# Altium PCB ADC_HUB.PcbDoc (part 3 of 3)
Units mm, origin at the board's own origin, x right, y up, seen from the top; angles counter-clockwise.
Board outline 280 x 83 mm, 4 copper layers (Component Side, Ground Plane, Power Plane, Solder Side), stack 0.844 mm thick; 324 components, 150 nets, 1066 pads, 404 vias.
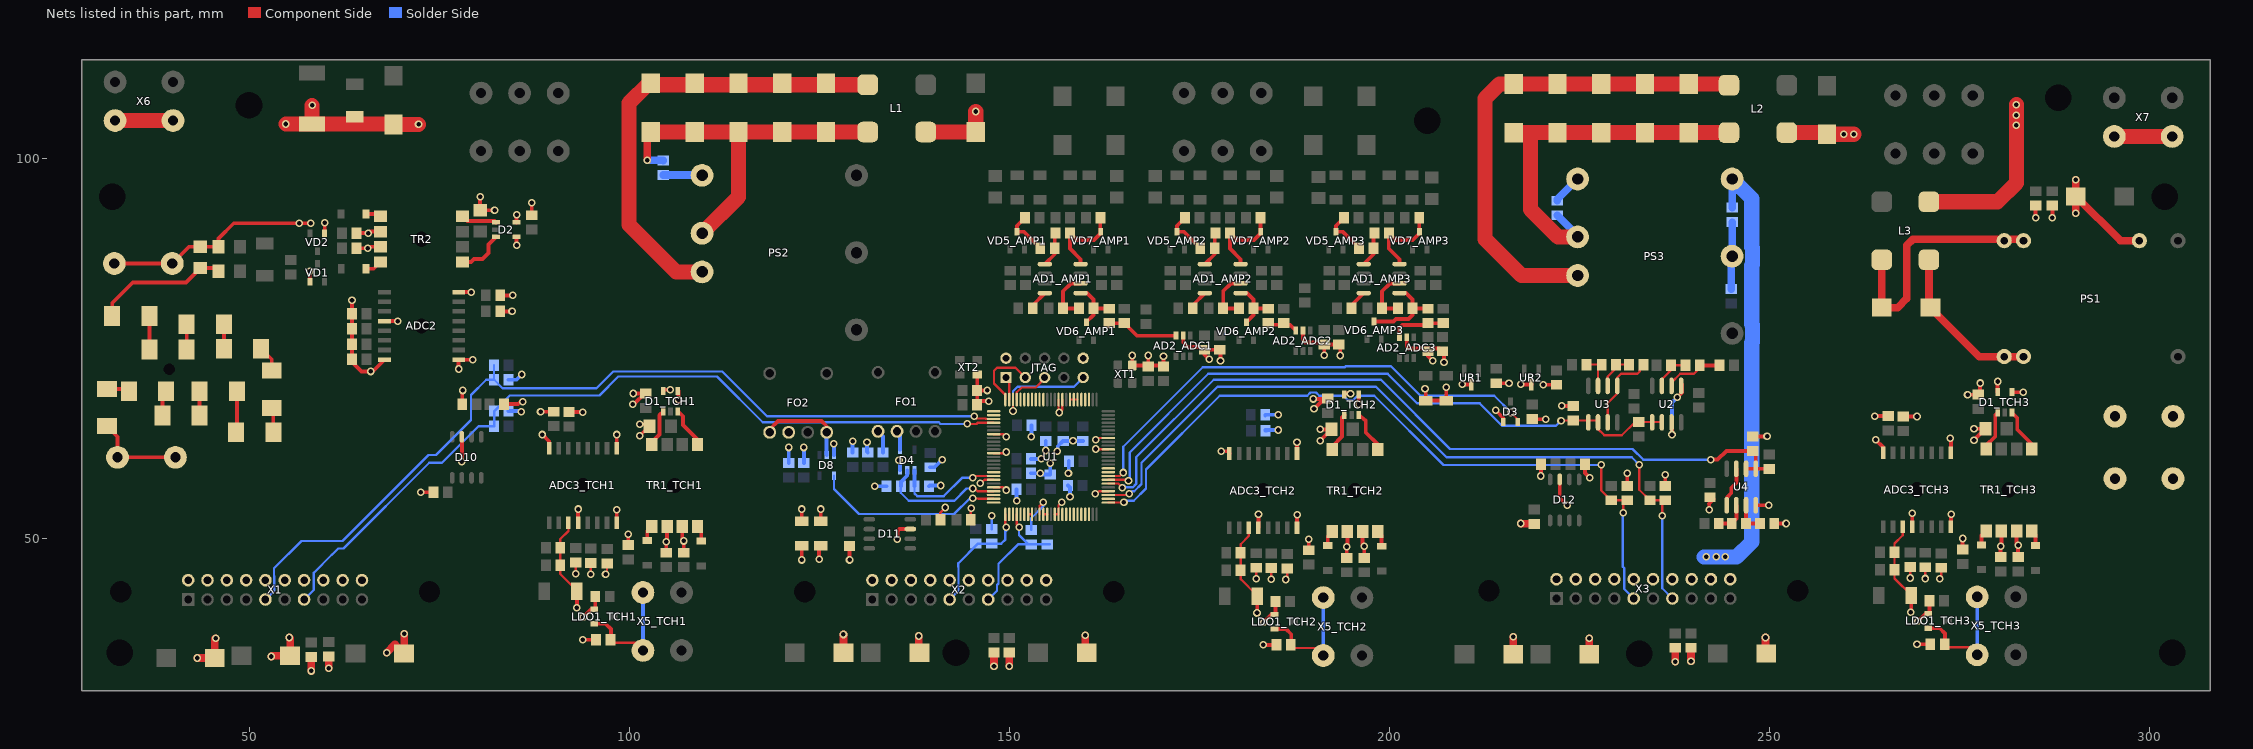
[diagram p5: the nets of this part, all layers, seen from the top]

## Via types
v1: diameter 1, hole 0.6, Component Side to Solder Side, tented both sides, 404 vias

## Nets (pads, with @x,y where several pads share a name; then routed paths per layer and width w, separated by ;. In a path a pad name is that pad's centre, name@x,y a point inside that pad or via, vN(x,y) a via of type N, cw(c..) or ccw(c..) an arc to the next point about the centre after c; other vN are vias at no path point) (continued)
DGND: AD2_ADC1.2 AD2_ADC2.2 AD2_ADC3.2 ADC2.9 ADC2.16 ADC3_TCH1.9 ADC3_TCH1.16 ADC3_TCH2.9 ADC3_TCH2.16 ADC3_TCH3.9 ADC3_TCH3.16 C3_TCH1.1 C3_TCH2.1 C3_TCH3.1 C9_TCH1.1 C9_TCH2.1 C9_TCH3.1 C11.2 C12.1 C13.2 C14.1 C15.2 C16.1 C17.1 C18.2 C19.2 C22.2 C23.2 C24.1 C25.1 C26.1 C27.2 C28.2 C30.2 C33_TCH1.1 C33_TCH2.1 C33_TCH3.1 C34_TCH1.1 C34_TCH2.1 C34_TCH3.1 C35.1 C39.1 C43.1 C44.1 C69.2 C70.2 C71.2 C72.2 C73.2 C74.2 C75.2 C76.2 C77.2 C78.2 C80.2 C81.2 C83.2 C84.2 C88.2 C89_ADC1.2 C89_ADC2.2 C89_ADC3.2 C90_ADC1.2 C90_ADC2.2 C90_ADC3.2 C92.2 D1_TCH1.4 D1_TCH1.5 D1_TCH2.4 D1_TCH2.5 D1_TCH3.4 D1_TCH3.5 D2.4 D2.5 D3.1 D4.3 D8.3 FO2.2 JTAG.2 JTAG.10 PS1.16 R1.1 R2.1 R5.1 R6.1 R20.2 R21.2 R22.2 R23.2 R24.2 R25.2 R37.2 R38.2 U1.3 U1.4 U1.5 U1.6 U1.7 U1.8 U1.10 U1.11 U1.15 U1.16 U1.17 U1.18 U1.19 U1.20 U1.21 U1.26 U1.27 U1.32 U1.37 U1.42 U1.44 U1.46 U1.48 U1.50 U1.52 U1.53 U1.55 U1.56 U1.57 U1.58 U1.60 U1.61 U1.62 U1.64 U1.65 U1.66 U1.67 U1.68 U1.69 U1.70 U1.71 U1.72 U1.73 U1.77 U1.79 U1.84 U1.85 U1.90 U1.93 UR1.3 UR2.3 X9.1 XT1.2 XT2.2 | length 228
  Component Side w0.3: R25.2@140.95,52.5 140.95,53.45 v1(141.6,54.1) ; R24.2@144.95,52.5 144.95,53.95 v1(145,54) ; v1(146.2,57.3) 146.3,57.3 146.75,57.75 U1.44@147.95,57.75 ; U1.46@147.95,56.75 149.15,56.75 149.5,56.4 v1(149.6,56.4) ; U1.37@147.95,61.25 149.35,61.25 149.5,61.4 v1(149.6,61.4) ; U1.32@147.95,63.75 149.25,63.75 v1(149.6,63.4) ; U1.57@152.5,53.2 U1.58@153,53.2 ; U1.60@154,53.2 154,54.298 154.15,54.448 154.15,54.45 v1(154.5,54.8) ; U1.61@154.5,53.2 U1.62@155,53.2 ; U1.64@156,53.2 U1.65@156.5,53.2 156.5,54.398 156.9,54.798 v1(156.9,54.8) ; U1.11@156.5,68.3 156.5,66.7 v1(156.6,66.6) 157,67 U1.10@157,68.3 ; U1.8@158,68.3 U1.7@158.5,68.3 U1.6@159,68.3 ; v1(161.3,55.9) 161.5,55.9 161.85,56.25 U1.79@163.05,56.25 ; v1(161.4,63) 161.4,63.2 161.45,63.25 U1.93@163.05,63.25 ; v1(161.4,61.8) 161.45,61.75 U1.90@163.05,61.75
  Component Side w0.5: v1(77.575,72.325) ADC2.9@77.575,73.55 v1(79.45,73.55) ; ADC2.16@77.575,82.44 v1(79.24,82.44) ; R23.2@78.05,67.7 78.05,69.45 v1(78.1,69.5) ; v1(80.4,95) C39.1@80.4,93.2 v1(82.3,93.2) ; C44.1@83.05,79.9 v1(84.6,79.9) ; C43.1@83.05,82 v1(84.7,82) ; R22.2@83.55,67.7 85.4,67.7 85.7,68 v1(86,68) ; v1(85.2,88.6) D2.4@85.2,89.7 ; D2.5@85.2,91.6 v1(85.2,92.6) ; C35.1@87.2,92.55 v1(87.2,94.2) ; v1(88.35,66.7) C33_TCH1.1@90.1,66.7 ; v1(88.6,63.7) 89.475,62.825 ADC3_TCH1.16@89.475,61.875 ; C34_TCH1.1@92.1,66.65 v1(93.9,66.65) ; ADC3_TCH1.9@98.365,61.875 98.365,63.665 v1(98.4,63.7) ; v1(100.5,67.7) 100.664,67.7 C3_TCH1.1@102.064,69.1 ; v1(100.55,69.1) C3_TCH1.1@102.064,69.1 ; v1(101.4,63.55) 102.9,65.05 v1(101.4,65.05) ; C3_TCH1.1@102.2,69.1 C3_TCH1.1@102.064,69.1 ; D1_TCH1.5@104.5,69.45 104.65,69.6 v1(105.4,69.6) ; D1_TCH1.4@106.4,69.45 106.45,69.5 106.5,69.45 v1(106.5,68.3) ; R2.1@122.7,52.325 v1(122.7,53.9) ; R6.1@125.2,52.325 v1(125.2,53.9) ; C83.2@145.75,67.6 C83.2@145.8,67.65 ; C27.2@145.75,69.5 C27.2@145.8,69.5 ; XT2.2@145.8,71.6 C27.2@145.8,69.5 ; v1(147.1,69.5) C27.2@145.8,69.5 ; v1(147.3,68.1) 146.25,68.1 C83.2@145.8,67.65 ; v1(166.2,74.1) XT1.2@166.2,72.8 C84.2@168.3,72.8 ; C84.2@168.3,72.65 C84.2@168.3,72.8 ; v1(168.3,74.1) C84.2@168.3,72.8 ; v1(170.3,74) C28.2@170.3,72.65 170.15,72.8 C84.2@168.3,72.8 ; AD2_ADC1.2@172.9,76.7 172.9,75.8 173.5,75.2 175.35,75.2 C89_ADC1.2@175.7,74.85 ; v1(176.3,73.6) 175.7,74.2 C89_ADC1.2@175.7,74.85 ; v1(177.8,73.4) 177.8,74.65 177.6,74.85 C89_ADC1.2@175.7,74.85 ; 178.48,61.5 178.68,61.5 ADC3_TCH2.16@178.975,61.205 ; ADC3_TCH2.9@187.865,61.205 v1(187.865,62.68) ; AD2_ADC2.2@188.65,77.4 188.65,76.1 188.95,75.8 191.2,75.8 C89_ADC2.2@191.45,75.55 ; v1(190,68.38) C3_TCH2.1@191.4,68.38 ; v1(190.1,67.08) C3_TCH2.1@191.4,68.38 ; v1(190.9,62.88) C9_TCH2.1@192.4,64.38 v1(190.9,64.38) ; v1(191.45,74.15) C89_ADC2.2@191.45,75.55 ; C3_TCH2.1@191.9,68.43 191.45,68.43 C3_TCH2.1@191.4,68.38 ; v1(193.55,74.1) 193.55,75.35 C90_ADC2.2@193.35,75.55 C89_ADC2.2@191.45,75.55 ; D1_TCH2.5@194.1,68.98 194.2,69.08 v1(194.9,69.08) ; v1(196,67.68) D1_TCH2.4@196,68.98 ; AD2_ADC3.2@202.3,76.5 202.3,75.2 202.5,75 206.65,75 C90_ADC3.2@207,74.65 207.2,74.45 v1(207.2,73.2) ; v1(204.7,69.7) 204.8,69.6 R5.1@204.8,68.175 R1.1@207.5,68.175 v1(207.5,69.9) ; C89_ADC3.2@205.1,74.65 205.1,74 v1(205.7,73.4) ; v1(209.6,70.3) UR1.3@210.8,70.3 ; v1(214,66.9) 215.004,65.896 D3.1@215.004,65.365 ; C88.2@214.1,70.45 v1(215.75,70.45) ; v1(217.3,70.3) UR2.3@218.7,70.3 ; C23.2@218.8,65.75 218.85,65.7 v1(220.6,65.7) ; v1(219.95,58.25) R38.2@219.95,59.8 ; v1(220.25,70.25) C92.2@221.8,70.25 ; v1(222.7,67.5) 222.75,67.45 C75.2@224.2,67.45 C75.2@224.5,67.45 ; R37.2@225.75,59.8 225.75,58.65 v1(226.4,58) ; C74.2@231.3,56.95 v1(231.3,58.6) ; C73.2@236.3,56.95 v1(236.3,58.4) ; C76.2@247.8,63.45 249.65,63.45 v1(249.7,63.5) ; v1(263.875,66.125) C33_TCH3.1@265.625,66.125 ; v1(264,63) 265,62 ADC3_TCH3.16@265,61.3 ; C34_TCH3.1@267.625,66.075 v1(269.425,66.075) ; v1(273.8,63.2) 273.89,63.11 ADC3_TCH3.9@273.89,61.3 ; v1(276.075,68.925) 277.725,68.925 v1(277.725,70.475) ; v1(276.925,62.975) C9_TCH3.1@278.425,64.475 v1(276.925,64.475) ; D1_TCH3.5@280.025,69.275 v1(280.025,70.675) ; D1_TCH3.4@281.925,69.275 v1(283.425,69.275) ; v1(285.025,92.225) C22.2@285.025,93.808 ; v1(287.236,92.236) C30.2@287.236,93.808 ; C83.2@145.8,67.65 C27.2@145.8,69.5
  Component Side w1: v1(290.3,92.8) C19.2@290.3,95 ; v1(290.3,97.2) C19.2@290.3,95 ; PS1.16@298.68,89.2 296.2,89.2 290.4,95 C19.2@290.3,95
  Solder Side w0.3: C72.2@147.7,51.25 v1(147.7,53) ; C71.2@152.9,51.15 152.9,52.7 154.5,54.3 v1(154.5,54.8)
  Solder Side w0.5: C69.2@84.15,66.8 85.9,66.8 v1(85.8,66.7) ; C70.2@84.15,70.9 85.2,70.9 v1(85.9,71.6) ; C78.2@121,59.95 v1(121,62) ; C77.2@123,59.95 v1(123,62) ; v1(126.9,62.5) 126.95,62.45 D8.3@126.95,61 ; C24.1@129.4,61.35 v1(129.4,62.8) ; v1(131.3,62.7) 131.3,61.45 C25.1@131.4,61.35 ; v1(132.3,56.9) R20.2@133.85,56.9 ; v1(135.5,60.3) 135.65,60.15 D4.3@135.65,59 ; R21.2@139.45,56.9 139.55,57 v1(141,57) ; C26.1@139.594,59.392 140.192,59.392 v1(141.2,60.4) ; C15.2@150.95,56.5 150.95,55.05 v1(151,55) ; C14.1@152.85,58.6 v1(154.1,58.6) 154.25,58.45 C13.2@155.4,58.45 v1(155.4,59.9) ; C12.1@152.85,60.5 v1(154.2,60.5) ; v1(152.9,63.4) 152.95,63.45 C80.2@152.95,64.9 ; v1(154.8,61.6) C81.2@154.8,62.85 ; v1(156.3,61.5) 156.4,61.6 156.4,62.15 C18.2@157.1,62.85 158.35,62.85 v1(158.4,62.9) 158.45,62.85 C11.2@159.7,62.85 ; C17.1@157.75,57 158,56.75 v1(158,55.5) ; v1(157.8,58.6) 157.85,58.65 C16.1@157.85,60.2 ; C34_TCH2.1@183.68,66.164 C34_TCH2.1@183.68,66.3 v1(185.4,66.3) ; C33_TCH2.1@183.73,64.2 183.73,64.336 183.866,64.2 183.966,64.3 v1(185.4,64.3)
  other v1: 177.9,61.5
DGND_IN: C1.2 C2.2 C31.2 D5.A D6.1 L1.4 L2.4 L3.4 X6.2 X7.1 | length 76.1
  Component Side w2: X6.2@32.38,105 X6.2@40,105 ; v1(54.85,104.55) D5.A@58.3,104.55 ; v1(58.3,107) D5.A@58.3,104.55 ; v1(72.3,104.5) C31.2@69,104.5 68.95,104.55 D5.A@58.3,104.55 ; L1.4@139.02,103.5 C1.2@145.6,103.5 v1(145.6,106.2) ; L2.4@252.316,103.42 257.38,103.42 C2.2@257.6,103.2 v1(259.8,103.2) v1(261.1,103.2) ; L3.4@271,94.32 280.02,94.32 282.5,96.8 v1(282.5,104.4) v1(282.5,105.7) v1(282.5,107.1) ; X7.1@295.38,102.92 X7.1@303,102.92
ERR_IGBT1: C69.1 R3.1 U1.29 X1.13 | length 108
  Component Side w0.3: v1(144.5,65.1) 145.7,65.1 145.85,65.25 U1.29@147.95,65.25
  Solder Side w0.3: X1.13@57.24,42 58.5,43.26 58.5,45.5 60.892,47.892 60.9,47.892 61.723,48.715 62.415,48.715 73.7,60 75.4,60 80.2,64.8 R3.1@82.25,64.8 C69.1@82.25,66.8 82.3,66.8 83.15,67.65 83.15,67.695 84.305,68.85 96.094,68.85 98.572,71.328 111.572,71.328 117.575,65.325 140.747,65.325 140.972,65.1 v1(144.5,65.1)
ERR_IGBT2: C70.1 R7.1 U1.28 X1.9 | length 117.3
  Component Side w0.3: v1(145.4,66.1) 145.7,65.8 146.7,65.8 146.907,65.8 146.957,65.75 U1.28@147.95,65.75
  Solder Side w0.3: X1.9@52.16,42 53.335,43.175 53.335,45.062 53.3,45.097 53.3,46.1 56.9,49.7 62.3,49.7 73.6,61 74.6,61 79.2,65.6 79.2,68.9 81.2,70.9 C70.1@82.25,70.9 ; R7.1@82.232,72.806 82.232,70.918 C70.1@82.25,70.9 ; v1(145.4,66.1) 118.144,66.1 112.243,72 97.9,72 95.7,69.8 83.35,69.8 C70.1@82.25,70.9
ERR_IGBT3: C71.1 R8.1 U1.54 X2.13 | length 17.7
  Component Side w0.3: U1.54@151,53.2 151,51.8 v1(151.3,51.5)
  Solder Side w0.3: X2.13@147.24,42 148.4,43.16 148.4,43.9 148.605,44.105 148.605,46.705 151.15,49.25 C71.1@152.55,49.25 ; v1(151.3,51.5) 151.3,50.5 C71.1@152.55,49.25 ; R8.1@155.35,49.25 R8.1@155,49.25 C71.1@152.9,49.25 C71.1@152.55,49.25
ERR_IGBT4: C72.1 R9.1 U1.51 X2.9 | length 16.2
  Component Side w0.3: U1.51@149.5,53.2 149.5,51.6 v1(149.6,51.5)
  Solder Side w0.3: X2.9@142.16,42 143.335,43.175 143.335,46.265 143.3,46.3 143.3,46.75 145.9,49.35 C72.1@147.7,49.35 148.95,49.35 149.5,49.9 149.5,50.9 149.6,51 149.5,51.1 149.6,51.2 v1(149.6,51.5)
ERR_IGBT5: C73.1 R10.1 U1.78 X3.13 | length 102.8
  Component Side w0.3: U1.78@163.05,55.75 165.65,55.75 v1(165.8,55.9) ; v1@232.9,59.95 v1(232.9,59.7) 232.9,56.45 R10.1@234.3,55.05 C73.1@236.3,55.05 235.9,54.65 v1(235.9,53)
  Solder Side w0.3: v1(165.8,55.9) 166.15,56.25 166.457,56.25 167.4,57.193 167.4,60 177.4,70 198.244,70 207.544,60.7 231.9,60.7 v1(232.9,59.7) ; v1(235.9,53) 235.9,43.47 X3.13@237.24,42.13
ERR_IGBT6: C74.1 R11.1 U1.76 X3.9 | length 98
  Component Side w0.3: U1.76@163.05,54.75 165.05,54.75 v1(165.1,54.8) ; v1(227.9,59.7) 227.9,56.35 R11.1@229.2,55.05 C74.1@231.3,55.05 230.8,54.55 v1(230.8,53.4)
  Solder Side w0.3: v1(165.1,54.8) 165.1,55.002 166.402,55.002 168,56.6 168,59.1 177.7,68.8 189.218,68.8 189.648,69.23 190.352,69.23 190.782,68.8 193.978,68.8 194.548,68.23 195.252,68.23 195.822,68.8 198.03,68.8 207.13,59.7 v1(227.9,59.7) ; v1(230.8,53.4) 230.7,53.4 230.7,46.35 230.9,46.15 230.9,43.39 X3.9@232.16,42.13
FO_EN: D4.1 R21.1 U1.43 | length 14.7
  Component Side w0.3: v1(145.2,58) 145.45,58.25 U1.43@147.95,58.25
  Solder Side w0.3: R21.1@137.55,56.9 137.55,55.95 137.9,55.6 141.4,55.6 143.8,58 v1(145.2,58)
  Solder Side w0.5: R21.1@137.55,56.9 D4.1@137.55,59
FO_INPUT: D8.4 U1.49 | length 25
  Component Side w0.3: v1(145.2,55.3) 145.95,55.3 146,55.25 U1.49@147.95,55.25
  Solder Side w0.3: D8.4@126.95,58.3 126.95,56.55 130.25,53.25 142.75,53.25 144.8,55.3 v1(145.2,55.3)
FO_OUTPUT: D4.2 R20.1 U1.47 | length 16.7
  Component Side w0.3: v1(145.2,56.6) 145.5,56.6 145.85,56.25 U1.47@147.95,56.25
  Solder Side w0.3: R20.1@135.75,56.9 135.75,56.05 136.8,55 142.8,55 144.4,56.6 v1(145.2,56.6)
  Solder Side w0.5: R20.1@135.75,56.9 135.75,57.45 136.6,58.3 D4.2@136.6,59
GND: ADC2.4 ADC2.8 C36.1 C37.1 C38.1 C40.1 C41.1 C42.1 R16.1 R17.1 TR2.6 TR2.7 VD1.1 VD2.1 X14.1 | length 53.2
  Component Side w0.5: X14.1@32.28,86.2 X14.1@39.9,86.2 42.1,88.4 R16.1@43.6,88.4 R17.1@46,88.4 46,89.5 48,91.5 v1(56.6,91.5) v1(58.1,91.5) ; v1(58,85.2) 58,83.875 VD1.1@58.05,83.825 ; VD2.1@59.95,90.175 v1(59.95,91.55) ; v1(63.55,81.35) C36.1@63.55,79.6 C41.1@63.55,77.6 C40.1@63.55,75.6 C42.1@63.55,73.6 63.55,73.25 64.8,72 v1(66,72) 66.275,72 ADC2.8@67.825,73.55 ; C37.1@64.15,88.2 v1(65.6,88.2) 65.8,88.4 TR2.7@67.3,88.4 ; C38.1@64.15,90.2 v1(65.7,90.2) 65.9,90.4 TR2.6@67.3,90.4 ; ADC2.4@67.825,78.63 v1(69.57,78.63)
GNDDR: C57.2 C58.2 C59.2 C68.1 C82.2 C86.2 C87.2 C94.1 C99.1 C103.1 C105.1 C106.1 C107.1 C108.2 C109.2 C110.2 C112.2 C113.2 C114.2 D10.3 D11.3 D12.3 PS3.6 R2.2 R6.2 R14.2 R51.2 U4.4 X1.2 X1.4 X1.6 X1.8 X1.10 X1.12 X1.14 X1.16 X1.18 X1.20 X2.2 X2.4 X2.6 X2.8 X2.10 X2.12 X2.14 X2.16 X2.18 X2.20 X3.2 X3.4 X3.6 X3.8 X3.10 X3.12 X3.14 X3.16 X3.18 X3.20 X8.1 | length 124
  Component Side w0.5: v1(72.6,56.1) C82.2@74.25,56.1 ; v1(78,60.1) D10.3@78,63.4 ; v1(122.7,47.2) R2.2@122.7,49.075 ; v1(125,47.3) 125,48.875 R6.2@125.2,49.075 ; v1(129,47.2) C86.2@129,49.05 ; v1(135.3,49.9) 135.3,51 135.57,51.27 D11.3@137,51.27 ; D12.3@222.43,57.8 222.43,55.37 v1(223.4,54.4) ; v1(242.1,53.8) 242.1,54.55 242.05,54.6 C68.1@242.7,55.25 ; U4.4@248.205,54.4 v1(249.9,54.4) ; R51.2@250.65,52 v1(252.2,52)
  Component Side w1: v1(43.2,34.3) C114.2@45.5,34.3 45.5,36.8 v1(45.6,36.9) ; v1(52.9,34.5) 53,34.6 C112.2@55.4,34.6 55.4,36.9 v1(55.3,37) ; v1(58.2,32.6) C99.1@58.2,34.45 ; v1(60.5,32.95) C94.1@60.5,34.5 ; v1(68.1,35) 69.2,36.1 C113.2@70.4,34.9 v1(70.4,37.5) ; C108.2@128.2,35 v1(128.2,37.4) ; v1(138.1,37.2) 138.1,35.1 C109.2@138.2,35 ; v1(148,33.2) C105.1@148,35.05 ; v1(150,33.2) C103.1@150,35.05 ; v1(160,37.3) 160,35.2 C110.2@160.2,35 ; C57.2@216.3,34.8 v1(216.3,37.1) ; v1(217.3,52) 217.35,51.95 C87.2@219.1,51.95 ; C58.2@226.3,34.8 v1(226.3,36.9) ; v1(237.6,33.8) C107.1@237.6,35.65 ; v1(239.7,33.9) C106.1@239.7,35.65 ; v1(249.5,37) 249.5,35 C59.2@249.6,34.9
  Solder Side w1: R14.2@245.1,93.55 PS3.6@245.1,97.32
  Solder Side w2: v1@241.4,47.6 v1(241.7,47.6) v1(243,47.6) v1(244.2,47.6) 245.7,47.6 247.7,49.6 247.7,75.782 247.8,75.882 247.8,78.118 247.7,78.218 247.7,85.942 247.8,86.042 247.8,88.278 247.7,88.378 247.7,94.72 PS3.6@245.1,97.32
HVGND_TCH1: ADC3_TCH1.3 ADC3_TCH1.4 ADC3_TCH1.8 C4_TCH1.1 C5_TCH1.1 C6_TCH1.1 C7_TCH1.1 C8_TCH1.1 C10_TCH1.1 C20_TCH1.1 C32_TCH1.1 C79_TCH1.1 D9_TCH1.1 LDO1_TCH1.1 R26_TCH1.2 TR1_TCH1.6 TR1_TCH1.7 | length 34.3
  Component Side w0.3: ADC3_TCH1.3@92.015,52.125 92.015,51.015 90.95,49.95 C79_TCH1.1@90.95,48.8 R26_TCH1.2@90.95,46.5 90.95,45.35 93.135,43.165 D9_TCH1.1@93.135,43.1 ; v1(93,45.4) C10_TCH1.1@93,46.85 ; v1(94.969,45.331) C20_TCH1.1@94.969,46.818 ; v1(96.9,45.3) 97.1,45.5 C32_TCH1.1@97.1,46.75
  Component Side w0.5: v1(93.1,40.9) 93.135,40.935 D9_TCH1.1@93.135,43.1 ; ADC3_TCH1.4@93.285,52.125 93.285,53.885 v1(93.3,53.9) ; v1(93.9,36.7) C8_TCH1.1@95.65,36.7 ; v1(94,39.7) 95,40.7 LDO1_TCH1.1@95.4,40.7 95.55,40.85 C7_TCH1.1@95.55,42.4 ; ADC3_TCH1.8@98.365,52.125 98.365,53.765 v1(98.4,53.8) ; C6_TCH1.1@99.9,49.15 v1(99.9,50.6) ; C5_TCH1.1@104.9,48.15 v1(104.9,49.6) 105,49.7 TR1_TCH1.6@105,51.6 ; TR1_TCH1.7@107,51.6 107,49.9 v1(107.2,49.7) C4_TCH1.1@107.2,48.15
HVGND_TCH2: ADC3_TCH2.3 ADC3_TCH2.4 ADC3_TCH2.8 C4_TCH2.1 C5_TCH2.1 C6_TCH2.1 C7_TCH2.1 C8_TCH2.1 C10_TCH2.1 C20_TCH2.1 C32_TCH2.1 C79_TCH2.1 D9_TCH2.1 LDO1_TCH2.1 R26_TCH2.2 TR1_TCH2.6 TR1_TCH2.7 | length 34.3
  Component Side w0.3: ADC3_TCH2.3@181.515,51.455 181.515,50.345 180.45,49.28 C79_TCH2.1@180.45,48.13 R26_TCH2.2@180.45,45.83 180.45,44.68 182.635,42.495 D9_TCH2.1@182.635,42.43 ; v1(182.5,44.73) C10_TCH2.1@182.5,46.18 ; v1(184.469,44.661) C20_TCH2.1@184.469,46.148 ; v1(186.4,44.63) 186.6,44.83 C32_TCH2.1@186.6,46.08
  Component Side w0.5: v1(182.6,40.23) 182.635,40.265 D9_TCH2.1@182.635,42.43 ; ADC3_TCH2.4@182.785,51.455 182.785,53.215 v1(182.8,53.23) ; v1(183.4,36.03) C8_TCH2.1@185.15,36.03 ; v1(183.5,39.03) 184.5,40.03 LDO1_TCH2.1@184.9,40.03 185.05,40.18 C7_TCH2.1@185.05,41.73 ; ADC3_TCH2.8@187.865,51.455 187.865,53.095 v1(187.9,53.13) ; C6_TCH2.1@189.4,48.48 v1(189.4,49.93) ; C5_TCH2.1@194.4,47.48 v1(194.4,48.93) 194.5,49.03 TR1_TCH2.6@194.5,50.93 ; TR1_TCH2.7@196.5,50.93 196.5,49.23 v1(196.7,49.03) C4_TCH2.1@196.7,47.48
HVGND_TCH3: ADC3_TCH3.3 ADC3_TCH3.4 ADC3_TCH3.8 C4_TCH3.1 C5_TCH3.1 C6_TCH3.1 C7_TCH3.1 C8_TCH3.1 C10_TCH3.1 C20_TCH3.1 C32_TCH3.1 C79_TCH3.1 D9_TCH3.1 LDO1_TCH3.1 R26_TCH3.2 TR1_TCH3.6 TR1_TCH3.7 | length 34.3
  Component Side w0.3: ADC3_TCH3.3@267.54,51.55 267.54,50.44 266.475,49.375 C79_TCH3.1@266.475,48.225 R26_TCH3.2@266.475,45.925 266.475,44.775 268.66,42.59 D9_TCH3.1@268.66,42.525 ; v1(268.525,44.825) C10_TCH3.1@268.525,46.275 ; v1(270.494,44.756) C20_TCH3.1@270.494,46.243 ; v1(272.425,44.725) 272.625,44.925 C32_TCH3.1@272.625,46.175
  Component Side w0.5: v1(268.625,40.325) 268.66,40.36 D9_TCH3.1@268.66,42.525 ; ADC3_TCH3.4@268.81,51.55 268.81,53.31 v1(268.825,53.325) ; v1(269.425,36.125) C8_TCH3.1@271.175,36.125 ; v1(269.525,39.125) 270.525,40.125 LDO1_TCH3.1@270.925,40.125 271.075,40.275 C7_TCH3.1@271.075,41.825 ; ADC3_TCH3.8@273.89,51.55 273.89,53.19 v1(273.925,53.225) ; C6_TCH3.1@275.425,48.575 v1(275.425,50.025) ; C5_TCH3.1@280.425,47.575 v1(280.425,49.025) 280.525,49.125 TR1_TCH3.6@280.525,51.025 ; TR1_TCH3.7@282.525,51.025 282.525,49.325 v1(282.725,49.125) C4_TCH3.1@282.725,47.575
JTAG_TCK: JTAG.1 U1.24 | length 3.1
  Component Side w0.3: JTAG.1@149.58,71.2 150,70.78 U1.24@150,68.3
JTAG_TDI: JTAG.9 U1.23 | length 14.1
  Component Side w0.3: v1(150.5,66.8) U1.23@150.5,68.3
  Solder Side w0.3: v1(150.5,66.8) 150.5,69.4 151.1,70 158.54,70 JTAG.9@159.74,71.2
JTAG_TDO: JTAG.3 U1.25 | length 9.2
  Component Side w0.3: U1.25@149.5,68.3 149.5,68.9 148,70.4 148,72.1 148.4,72.5 150.82,72.5 JTAG.3@152.12,71.2
JTAG_TMS: JTAG.5 U1.22 | length 5.5
  Component Side w0.3: U1.22@151,68.3 151,69.257 151.643,69.9 153.5,69.9 154.66,71.06 JTAG.5@154.66,71.2
NetAD1_AMP1_1: AD1_AMP1.1 C100_AMP1.2 L4_AMP1.1 | length 4.7
  Component Side w0.5: AD1_AMP1.1@154.694,86.121 155.994,87.421 L4_AMP1.1@155.994,88.216 155.994,90.116 C100_AMP1.2@156.094,90.216
NetAD1_AMP1_4: AD1_AMP1.4 C104_AMP1.2 | length 2.7
  Component Side w0.5: C104_AMP1.2@153.1,80.3 153.1,80.717 AD1_AMP1.4@154.694,82.311
NetAD1_AMP1_5: AD1_AMP1.5 R64_AMP1.2 R65_AMP1.1 VD6_AMP1.3 | length 7.5
  Component Side w0.5: AD1_AMP1.5@159.394,82.311 160.239,82.311 161.1,81.45 R65_AMP1.1@161.1,80.3 ; VD6_AMP1.3@160.15,78.475 161.1,79.425 R65_AMP1.1@161.1,80.3 ; R64_AMP1.2@163.15,80.25 163.1,80.3 R65_AMP1.1@161.1,80.3
NetAD1_AMP1_6: AD1_AMP1.6 R38_AMP1.1 R65_AMP1.2 | length 7.1
  Component Side w0.5: R65_AMP1.2@159.2,80.3 R38_AMP1.1@157.1,80.3 157.1,82.55 158.131,83.581 AD1_AMP1.6@159.394,83.581
NetAD1_AMP1_8: AD1_AMP1.8 C100_AMP1.1 R37_AMP1.1 VD7_AMP1.3 | length 11.5
  Component Side w0.5: AD1_AMP1.8@159.394,86.121 159.394,86.756 157.994,88.156 C100_AMP1.1@157.994,90.216 158.91,89.3 161.15,89.3 161.994,90.144 VD7_AMP1.3@161.994,90.441 ; R37_AMP1.1@161.994,92.216 VD7_AMP1.3@161.994,90.441 ; VD7_AMP1.3@162.044,90.391 VD7_AMP1.3@161.994,90.441
NetAD1_AMP2_1: AD1_AMP2.1 C100_AMP2.2 L4_AMP2.1 | length 4.7
  Component Side w0.5: AD1_AMP2.1@175.744,86.121 177.044,87.421 L4_AMP2.1@177.044,88.216 177.044,90.116 C100_AMP2.2@177.144,90.216
NetAD1_AMP2_4: AD1_AMP2.4 C104_AMP2.2 | length 2.7
  Component Side w0.5: C104_AMP2.2@174.15,80.3 174.15,80.717 AD1_AMP2.4@175.744,82.311
NetAD1_AMP2_5: AD1_AMP2.5 R64_AMP2.2 R65_AMP2.1 VD6_AMP2.3 | length 7.5
  Component Side w0.5: AD1_AMP2.5@180.444,82.311 181.289,82.311 182.15,81.45 R65_AMP2.1@182.15,80.3 ; VD6_AMP2.3@181.2,78.475 182.15,79.425 R65_AMP2.1@182.15,80.3 ; R64_AMP2.2@184.2,80.25 184.15,80.3 R65_AMP2.1@182.15,80.3
NetAD1_AMP2_6: AD1_AMP2.6 R38_AMP2.1 R65_AMP2.2 | length 7.1
  Component Side w0.5: R65_AMP2.2@180.25,80.3 R38_AMP2.1@178.15,80.3 178.15,82.55 179.181,83.581 AD1_AMP2.6@180.444,83.581
NetAD1_AMP2_8: AD1_AMP2.8 C100_AMP2.1 R37_AMP2.1 VD7_AMP2.3 | length 11.5
  Component Side w0.5: AD1_AMP2.8@180.444,86.121 180.444,86.756 179.044,88.156 C100_AMP2.1@179.044,90.216 179.96,89.3 182.2,89.3 183.044,90.144 VD7_AMP2.3@183.044,90.441 ; R37_AMP2.1@183.044,92.216 VD7_AMP2.3@183.044,90.441 ; VD7_AMP2.3@183.094,90.391 VD7_AMP2.3@183.044,90.441
NetAD1_AMP3_1: AD1_AMP3.1 C100_AMP3.2 L4_AMP3.1 | length 4.7
  Component Side w0.5: AD1_AMP3.1@196.644,86.121 197.944,87.421 L4_AMP3.1@197.944,88.216 197.944,90.116 C100_AMP3.2@198.044,90.216
NetAD1_AMP3_4: AD1_AMP3.4 C104_AMP3.2 | length 2.7
  Component Side w0.5: C104_AMP3.2@195.05,80.3 195.05,80.717 AD1_AMP3.4@196.644,82.311
NetAD1_AMP3_5: AD1_AMP3.5 R64_AMP3.2 R65_AMP3.1 VD6_AMP3.3 | length 11.6
  Component Side w0.5: VD6_AMP3.3@198,78.575 200.575,78.575 200.9,78.9 202.525,78.9 203.05,79.425 R65_AMP3.1@203.05,80.3 ; AD1_AMP3.5@201.344,82.311 202.189,82.311 203.05,81.45 R65_AMP3.1@203.05,80.3 ; R64_AMP3.2@205.1,80.25 205.05,80.3 R65_AMP3.1@203.05,80.3
NetAD1_AMP3_6: AD1_AMP3.6 R38_AMP3.1 R65_AMP3.2 | length 7.1
  Component Side w0.5: R65_AMP3.2@201.15,80.3 R38_AMP3.1@199.05,80.3 199.05,82.55 200.081,83.581 AD1_AMP3.6@201.344,83.581
NetAD1_AMP3_8: AD1_AMP3.8 C100_AMP3.1 R37_AMP3.1 VD7_AMP3.3 | length 11.5
  Component Side w0.5: AD1_AMP3.8@201.344,86.121 201.344,86.756 199.944,88.156 C100_AMP3.1@199.944,90.216 200.86,89.3 203.1,89.3 203.944,90.144 VD7_AMP3.3@203.944,90.441 ; R37_AMP3.1@203.944,92.216 VD7_AMP3.3@203.944,90.441 ; VD7_AMP3.3@203.994,90.391 VD7_AMP3.3@203.944,90.441
NetC21_1: C21.1 L3.2 PS1.22 PS1.23 | length 32.9
  Component Side w1: L3.2@264.78,86.7 264.8,86.68 C21.1@264.8,80.4 266.9,80.4 268.1,81.6 268.1,88.6 268.9,89.4 283.24,89.4 PS1.22@283.44,89.2
NetC21_2: C21.2 L3.3 PS1.2 PS1.3 | length 21.3
  Component Side w1: L3.3@271,86.7 271,80.6 C21.2@271.2,80.4 277.64,73.96 PS1.2@280.9,73.96 PS1.3@283.44,73.96
NetC49_1: C49.1 C50.1 C51.1 C52.1 C53.1 L1.2 PS2.2 | length 60.7
  Component Side w2: PS2.2@109.6,85.1 106.2,85.1 100,91.3 100,107.3 102.61,109.91 C50.1@102.864,109.91 103.054,109.72 L1.2@131.4,109.72
NetC49_2: C49.2 C50.2 C51.2 C52.2 C53.2 L1.3 PS2.1 R13.2 | length 49.9
  Component Side w1: v1(102.4,99.8) 102.4,103.046 C50.2@102.864,103.51
  Component Side w2: C50.2@102.864,103.51 102.874,103.5 C51.2@114.38,103.5 ; PS2.1@109.6,90.18 114.38,94.96 C51.2@114.38,103.5 ; C51.2@114.38,103.51 C51.2@114.38,103.5 ; L1.3@131.4,103.5 C51.2@114.38,103.5
  Solder Side w1: v1(102.4,99.8) 104.45,99.8 R13.2@104.5,99.75
NetC61_1: C61.1 C62.1 C63.1 C64.1 C65.1 L2.2 PS3.3 | length 65.6
  Component Side w2: PS3.3@224.78,84.62 217.38,84.62 212.6,89.4 212.6,107.9 214.51,109.81 C62.1@216.364,109.81 C61.1@222.122,109.81 C63.1@227.88,109.81 C65.1@233.638,109.81 C64.1@239.396,109.81 244.526,109.81 L2.2@244.696,109.64
NetC61_2: C61.2 C62.2 C63.2 C64.2 C65.2 L2.3 PS3.2 R19.2 | length 50.1
  Component Side w2: C62.2@216.364,103.41 216.375,103.42 218.6,103.42 ; PS3.2@224.78,89.7 222.2,89.7 218.6,93.3 218.6,103.42 ; L2.3@244.696,103.42 218.6,103.42
  Solder Side w1: R19.2@222.1,92.55 224.78,89.87 PS3.2@224.78,89.7
NetD1_TCH1_1: D1_TCH1.1 TR1_TCH1.4 | length 5
  Component Side w0.5: TR1_TCH1.4@103,62.4 103,62.7 104,63.7 104,66.25 D1_TCH1.1@104.5,66.75
NetD1_TCH1_3: D1_TCH1.3 TR1_TCH1.1 | length 5.5
  Component Side w0.5: D1_TCH1.3@106.4,66.8 107.1,66.1 107.1,64.95 109,63.05 TR1_TCH1.1@109,62.4
NetD1_TCH2_1: D1_TCH2.1 TR1_TCH2.4 | length 5.2
  Component Side w0.5: TR1_TCH2.4@192.5,61.73 192.5,62.144 193.8,63.444 193.8,65.98 D1_TCH2.1@194.1,66.28
NetD1_TCH2_3: D1_TCH2.3 TR1_TCH2.1 | length 5.8
  Component Side w0.5: D1_TCH2.3@196,66.28 196.6,65.78 ; 196.7,65.68 196.6,65.78 ; TR1_TCH2.1@198.5,61.73 198.5,62.38 196.9,63.98 196.9,65.53 196.6,65.78
NetD1_TCH3_1: D1_TCH3.1 TR1_TCH3.4 | length 5.4
  Component Side w0.5: TR1_TCH3.4@278.525,61.825 278.525,62.239 279.725,63.439 279.725,66.275 D1_TCH3.1@280.025,66.575
NetD1_TCH3_3: D1_TCH3.3 TR1_TCH3.1 | length 5.8
  Component Side w0.5: D1_TCH3.3@281.925,66.575 282.625,65.875 282.625,64.375 284.525,62.475 TR1_TCH3.1@284.525,61.825
NetD2_1: D2.1 TR2.4 | length 4.7
  Component Side w0.5: TR2.4@78.1,92.4 78.7,91.8 82.3,91.8 D2.1@82.5,91.6
NetD2_3: D2.3 TR2.1 | length 6.4
  Component Side w0.5: TR2.1@78.1,86.4 79.2,86.4 79.6,86.8 80.7,86.8 81.5,87.6 81.5,88.7 D2.3@82.5,89.7
NetD4_4: D4.4 FO1.2 | length 2.6
  Solder Side w0.5: FO1.2@135.25,64.125 135.65,63.725 D4.4@135.65,61.7
NetD8_2: D8.2 FO2.1 FO2.4 | length 12.5
  Component Side w0.5: FO2.1@118.5,64 118.5,64.4 119.6,65.5 125.3,65.5 126,64.8 FO2.4@126,64
  Solder Side w0.5: D8.2@126,61 125.95,61.05 125.95,63.95 FO2.4@126,64
NetFO1_1: FO1.1 R4.1 | length 3
  Solder Side w0.5: FO1.1@132.75,64.125 133.4,63.475 R4.1@133.4,61.35
NetL4_AMP1_2: L4_AMP1.2 R24_AMP1.1 VD5_AMP1.3 | length 6.2
  Component Side w0.5: R24_AMP1.1@152.094,92.216 151.044,91.166 VD5_AMP1.3@151.044,90.391 151.919,90.391 L4_AMP1.2@154.094,88.216
NetL4_AMP2_2: L4_AMP2.2 R24_AMP2.1 VD5_AMP2.3 | length 6.2
  Component Side w0.5: R24_AMP2.1@173.144,92.216 172.094,91.166 VD5_AMP2.3@172.094,90.391 172.969,90.391 L4_AMP2.2@175.144,88.216
NetL4_AMP3_2: L4_AMP3.2 R24_AMP3.1 VD5_AMP3.3 | length 6.2
  Component Side w0.5: R24_AMP3.1@194.044,92.216 192.994,91.166 VD5_AMP3.3@192.994,90.391 193.869,90.391 L4_AMP3.2@196.044,88.216
NetPS2_6: PS2.6 R13.1 | length 5.1
  Solder Side w1: R13.1@104.5,97.85 109.55,97.85 PS2.6@109.6,97.8
NetPS3_1: PS3.1 R19.1 | length 4
  Solder Side w1: R19.1@222.1,94.45 222.1,94.64 PS3.1@224.78,97.32
NetPS3_5: PS3.5 R14.1 R18.1 | length 8.8
  Solder Side w1: R18.1@245,82.85 245,87.06 PS3.5@245.1,87.16 R14.1@245.1,91.65
NetR15_1: R15.1 R16.2 R36.2 | length 17.8
  Component Side w0.5: R36.2@32,79.3 32,81 34.7,83.7 41.7,83.7 R16.2@43.6,85.6 45.6,85.6 R15.1@46,85.2
NetR27_1: R27.1 X4.1 | length 12.3
  Component Side w0.5: R27.1@31.3,64.8 32.7,63.4 X4.1@32.7,60.7 X4.1@40.32,60.7
NetR27_2: R27.2 R28.1 | length 3
  Component Side w0.5: R27.2@31.3,69.7 33.9,69.7 R28.1@34.2,69.4
NetR28_2: R28.2 R29.1 | length 3.4
  Component Side w0.5: R29.1@38.6,66.2 38.6,68.9 R28.2@39.1,69.4
NetR29_2: R29.2 R30.1 | length 3.2
  Component Side w0.5: R29.2@43.5,66.2 R30.1@43.5,69.4
NetR30_2: R30.2 R31.1 | length 5.4
  Component Side w0.5: R31.1@48.3,64 48.4,64.1 R30.2@48.4,69.4
NetR31_2: R31.2 R32.1 | length 3.3
  Component Side w0.5: R32.1@53,67.2 53.2,67 R31.2@53.2,64
NetR32_2: R32.2 R33.1 | length 3.5
  Component Side w0.5: R33.1@51.6,75 53,73.6 R32.2@53,72.1
NetR33_2: R33.2 R34.1 | length 3.2
  Component Side w0.5: R33.2@46.7,75 R34.1@46.7,78.2
NetR34_2: R34.2 R35.1 | length 3.3
  Component Side w0.5: R35.1@41.8,74.9 R34.2@41.8,78.2
NetR35_2: R35.2 R36.1 | length 4.4
  Component Side w0.5: R35.2@36.9,74.9 R36.1@36.9,79.3
NetR39_2: R39.2 R40.1 U2.2 | length 7.2
  Component Side w0.3: U2.2@237.135,70.1 237.135,70.549 238.286,71.7 240.1,71.7 240.85,72.45 R40.1@240.85,72.8
  Component Side w0.5: 241.55,72.8 R39.2@243.45,72.8
NetR40_2: R40.2 R41.1 U2.3 | length 4.9
  Component Side w0.3: U2.3@235.965,70.3 235.965,71.065 237.475,72.575 R41.1@237.475,72.625 ; R41.1@237.05,72.8 R40.2@238.95,72.8
NetR42_1: R42.1 U3.1 U3.7 | length 10.8
  Component Side w0.3: U3.7@228.735,65.6 228.735,67.835 230.005,69.105 U3.1@230.005,70.1 230.005,71.205 230.5,71.7 232.65,71.7 232.95,72 232.95,72.152 233.698,72.9 R42.1@233.85,72.9
NetR42_2: R42.2 R43.1 U3.2 | length 4.9
  Component Side w0.3: U3.2@228.735,70.4 228.735,71.335 230.05,72.65 230.05,72.9 R42.2@231.55,72.9 R42.2@231.95,72.9
NetR43_2: R43.2 R44.1 U3.3 | length 4.5
  Component Side w0.3: R44.1@226.35,72.9 227.85,72.9 R43.2@228,72.75 ; U3.3@227.465,70.4 227.465,72.215 R43.2@228,72.75 ; R43.2@228.15,72.9 R43.2@228,72.75
NetR49_2: R49.2 R50.1 U4.2 | length 4.4
  Component Side w0.5: R49.2@243.35,52 R50.1@245.05,52 245.665,52.615 U4.2@245.665,54.4
NetR50_2: R50.2 R51.1 U4.3 | length 4.2
  Component Side w0.5: U4.3@246.935,54.4 246.935,52.015 R50.2@246.95,52 R51.1@248.75,52
NetRD1_TCH1_2: RD1_TCH1.2 TR1_TCH1.5 | length 2.1
  Component Side w0.5: RD1_TCH1.2@102.4,49.77 102.4,51 TR1_TCH1.5@103,51.6
NetRD1_TCH2_2: RD1_TCH2.2 TR1_TCH2.5 | length 2.1
  Component Side w0.5: RD1_TCH2.2@191.9,49.1 191.9,50.33 TR1_TCH2.5@192.5,50.93
NetRD1_TCH3_2: RD1_TCH3.2 TR1_TCH3.5 | length 2.1
  Component Side w0.5: RD1_TCH3.2@277.925,49.195 277.925,50.425 TR1_TCH3.5@278.525,51.025
NetRD2_TCH1_2: RD2_TCH1.2 TR1_TCH1.8 | length 2.1
  Component Side w0.5: TR1_TCH1.8@109,51.6 109.5,51.1 RD2_TCH1.2@109.5,49.67
NetRD2_TCH2_2: RD2_TCH2.2 TR1_TCH2.8 | length 2.1
  Component Side w0.5: TR1_TCH2.8@198.5,50.93 199,50.43 RD2_TCH2.2@199,49
NetRD2_TCH3_2: RD2_TCH3.2 TR1_TCH3.8 | length 2.1
  Component Side w0.5: TR1_TCH3.8@284.525,51.025 285.025,50.525 RD2_TCH3.2@285.025,49.095
NetRD3_2: RD3.2 TR2.5 | length 2.1
  Component Side w0.5: RD3.2@65.37,92.7 67,92.7 TR2.5@67.3,92.4
NetRD4_2: RD4.2 TR2.8 | length 2.3
  Component Side w0.5: RD4.2@65.4,85.5 66.4,85.5 TR2.8@67.3,86.4
NetU2_1: U2.1 U2.7 | length 9
  Component Side w0.5: v1(237.2,63.7) 237.2,65.465 U2.7@237.235,65.5 ; v1(237.9,68.6) 238.505,69.205 U2.1@238.505,70.3
  Solder Side w0.5: v1(237.2,63.7) 237.2,67.83 237.235,67.865 237.2,67.9 v1(237.9,68.6)
NetU4_1: U4.1 U4.7 | length 4.2
  Component Side w0.5: 244.5,55.5 245,56 245,56.7 245.665,57.365 U4.7@245.665,59.2
nPOWER_GOOD: D3.2 U1.83 | length 65.1
  Component Side w0.3: U1.83@163.05,58.25 164.55,58.25 v1(165,58.7) ; v1(216,66.6) 216.904,65.696 D3.2@216.904,65.365
  Solder Side w0.3: v1(165,58.7) 165,62.1 175.45,72.55 194.15,72.55 194.3,72.7 200.2,72.7 204.1,68.8 213.8,68.8 v1(216,66.6)
SENS_SIG_ADC1: AD2_ADC1.3 C102_AMP1.2 R64_AMP1.1 | length 9.5
  Component Side w0.5: R64_AMP1.1@163.15,78.35 C102_AMP1.2@165.15,78.35 166.8,76.7 AD2_ADC1.3@171.95,76.7
SENS_SIG_ADC2: AD2_ADC2.3 C102_AMP2.2 R64_AMP2.1 | length 4
  Component Side w0.5: R64_AMP2.1@184.05,78.15 186.05,78.15 186.95,78.15 AD2_ADC2.3@187.7,77.4
SENS_SIG_ADC3: AD2_ADC3.3 C102_AMP3.2 R64_AMP3.1 | length 7.2
  Component Side w0.5: AD2_ADC3.3@201.35,76.5 201.35,77.75 201.7,78.1 204.85,78.1 R64_AMP3.1@205.1,78.35 C102_AMP3.2@207.1,78.35
V_REF_TCH1: C8_TCH1.2 LDO1_TCH1.2 X5_TCH1.1 | length 16.6
  Component Side w0.3: C8_TCH1.2@97.55,36.3 100.82,36.3 X5_TCH1.1@101.82,35.3
  Component Side w0.5: LDO1_TCH1.2@95.4,38.8 96.9,38.8 97.6,38.1 97.6,36.35 C8_TCH1.2@97.55,36.3
  Solder Side w0.5: X5_TCH1.1@101.82,35.3 X5_TCH1.1@101.82,42.92
V_REF_TCH2: C8_TCH2.2 LDO1_TCH2.2 X5_TCH2.1 | length 16.6
  Component Side w0.3: C8_TCH2.2@187.05,35.63 190.32,35.63 X5_TCH2.1@191.32,34.63
  Component Side w0.5: LDO1_TCH2.2@184.9,38.13 186.4,38.13 187.1,37.43 187.1,35.68 C8_TCH2.2@187.05,35.63
  Solder Side w0.5: X5_TCH2.1@191.32,34.63 X5_TCH2.1@191.32,42.25
V_REF_TCH3: C8_TCH3.2 LDO1_TCH3.2 X5_TCH3.1 | length 16.6
  Component Side w0.3: C8_TCH3.2@273.075,35.725 276.345,35.725 X5_TCH3.1@277.345,34.725
  Component Side w0.5: LDO1_TCH3.2@270.925,38.225 272.425,38.225 273.125,37.525 273.125,35.775 C8_TCH3.2@273.075,35.725
  Solder Side w0.5: X5_TCH3.1@277.345,34.725 X5_TCH3.1@277.345,42.345
VDR_ERR: C76.1 R12.2 U1.81 U4.5 U4.6 | length 103.6
  Component Side w0.3: U1.81@163.05,57.25 164.35,57.25 v1(164.9,56.7)
  Component Side w0.5: v1(242.3,60.4) 243.2,60.4 244.35,61.55 C76.1@247.8,61.55 248.205,61.145 U4.5@248.205,59.2 ; U4.6@246.935,59.2 U4.5@248.205,59.2 ; R12.2@250,59.15 249.95,59.2 U4.5@248.205,59.2
  Solder Side w0.3: v1@164.8,56.6 v1(164.9,56.7) 165.149,56.949 165.348,56.75 166.25,56.75 166.7,57.2 166.7,60.7 176.9,70.9 198.9,70.9 208,61.8 232.002,61.8 233.402,60.4 v1(242.3,60.4)
VS_OK: C75.1 R45.2 U1.82 U2.5 U2.6 U3.5 U3.6 | length 86.4
  Component Side w0.3: U1.82@163.05,57.75 165.55,57.75 v1(165.7,57.6) ; v1(222.6,65.5) 222.65,65.55 C75.1@224.2,65.55 227.415,65.55 227.465,65.6 U3.6@227.465,65.3 227.465,64.435 228.3,63.6 230.6,63.6 232.35,65.35 R45.2@232.8,65.35 235.815,65.35 U2.6@235.965,65.5
  Solder Side w0.3: v1(165.7,57.6) 165.85,57.75 165.85,61.35 176.2,71.7 199.786,71.7 203.686,67.8 211.898,67.8 214.848,64.85 221.95,64.85 v1(222.6,65.5)
pads on no net: ADC2.1 ADC2.5 ADC2.10 ADC2.12 ADC2.15 ADC2.17 ADC3_TCH1.1 ADC3_TCH1.5 ADC3_TCH1.10 ADC3_TCH1.12 ADC3_TCH1.15 ADC3_TCH1.17 ADC3_TCH2.1 ADC3_TCH2.5 ADC3_TCH2.10 ADC3_TCH2.12 ADC3_TCH2.15 ADC3_TCH2.17 ADC3_TCH3.1 ADC3_TCH3.5 ADC3_TCH3.10 ADC3_TCH3.12 ADC3_TCH3.15 ADC3_TCH3.17 D8.1 D10.1 D10.8 D11.1 D11.8 D12.1 D12.8 FO1.3 FO1.4 FO1.5 FO1.6 FO2.5 FO2.6 JTAG.6 JTAG.7 JTAG.8 PS1.11 TR1_TCH1.9 TR1_TCH2.9 TR1_TCH3.9 TR2.9 X1.1 X1.3 X1.17 X1.19 X1.MH1 X1.MH2 X2.1 X2.3 X2.17 X2.19 X2.MH1 X2.MH2 X3.1 X3.3 X3.17 X3.19 X3.MH1 X3.MH2

## Polygon pours and split planes (outlines as drawn)
-VS on Solder Side "BOTMVS" (solid, remove dead copper, pour order 0): 147,97.4 147,86 206,86 207,87 207,97.4
GND on Solder Side "BOTGNDVS" (solid, remove dead copper, pour order 2): 56,93 68,93 68,85 71,82 71,72 63,72 62,73 62,80 56,86
HVGND_TCH1 on Solder Side "BOTGNDTS" (solid, remove dead copper, pour order 4): 93,55 91,53 91,37 92,36 97,36 99,38 99,43 102,46 108,46 109,47 109,52 106,55
HVGND_TCH2 on Solder Side "BOTGNDTS" (solid, remove dead copper, pour order 6): 182.5,54.33 180.5,52.33 180.5,36.33 181.5,35.33 186.5,35.33 188.5,37.33 188.5,42.33 191.5,45.33 197.5,45.33 198.5,46.33 198.5,51.33 195.5,54.33
HVGND_TCH3 on Solder Side "BOTGNDTS" (solid, remove dead copper, pour order 8): 268.525,54.425 266.525,52.425 266.525,36.425 267.525,35.425 272.525,35.425 274.525,37.425 274.525,42.425 277.525,45.425 283.525,45.425 284.525,46.425 284.525,51.425 281.525,54.425
AGND on Solder Side "BOTAGND" (solid, remove dead copper, pour order 10): 224,73 224,65 241.3,65 241.3,73
DGND on Component Side "TOPDGND" (solid, remove dead copper, pour order 12): 148.5,68 148.5,53.5 162.5,53.5 162.5,68
AGND on Ground Plane (split plane): 209.6,75.702 141.2,75.702 141.2,98 209.6,98
DGND on Ground Plane (split plane): 307.49,61.902 257.3,61.902 257.202,61.893 257.108,61.864 257.021,61.818 256.945,61.755 251.792,56.602 211.108,56.602 210.955,56.755 207.355,60.355 207.279,60.418 207.192,60.464 207.098,60.493 207,60.502 173,60.502 172.902,60.493 172.808,60.464 172.721,60.418 172.645,60.355 169.645,57.355 169.582,57.279 169.536,57.192 169.507,57.098 169.498,57 169.498,53.708 167.292,51.502 122.708,51.502 120.502,53.708 120.502,60 120.493,60.098 120.464,60.192 120.418,60.279 120.355,60.355 118.455,62.255 118.379,62.318 118.292,62.364 118.198,62.393 118.1,62.402 77.308,62.402 74.968,64.742 74.994,64.869 75.002,65 75.002,66 76,66 76,98 94,98 94,75.3 131.389,75.3 131.845,74.845 131.921,74.782 132.008,74.736 132.102,74.707 132.2,74.698 209.6,74.698 209.6,74.1 223.6,74.1 223.6,62.9 242,62.9 242,74.1 260.6,74.1 260.6,98 307.49,98
DGND_IN on Ground Plane (split plane): 307.49,101 28.51,101 28.51,112.49 307.49,112.49
GNDDR on Ground Plane (split plane): 72.806,65.931 72.798,65.8 72.806,65.669 72.832,65.541 72.874,65.416 72.932,65.299 72.998,65.201 72.998,65 73.006,64.869 73.032,64.741 73.074,64.616 73.132,64.499 73.205,64.39 73.291,64.291 73.39,64.205 73.499,64.132 73.616,64.074 73.741,64.032 73.869,64.006 74,63.998 74.131,64.006 74.258,64.032 76.745,61.545 76.821,61.482 76.908,61.436 77.002,61.407 77.1,61.398 117.892,61.398 119.498,59.792 119.498,53.5 119.507,53.402 119.536,53.308 119.582,53.221 119.645,53.145 122.145,50.645 122.221,50.582 122.308,50.536 122.402,50.507 122.5,50.498 167.5,50.498 167.598,50.507 167.692,50.536 167.779,50.582 167.855,50.645 170.355,53.145 170.418,53.221 170.464,53.308 170.493,53.402 170.502,53.5 170.502,56.792 173.208,59.498 206.792,59.498 210.245,56.045 210.545,55.745 210.621,55.682 210.708,55.636 210.802,55.607 210.9,55.598 252,55.598 252.098,55.607 252.192,55.636 252.279,55.682 252.355,55.745 257.508,60.898 307.49,60.898 307.49,30.51 290.325,30.51 290.325,56.125 260.125,56.125 260.125,30.51 205.2,30.51 205.2,57 175,57 175,30.51 114.8,30.51 114.8,56.7 84.6,56.7 84.6,30.51 28.51,30.51 28.51,52 60,52 60,66 72.82,66
ADCREF on Power Plane (split plane): 209.1,82.002 141.4,82.002 141.4,83.898 209.1,83.898
+VS on Power Plane (split plane): 209.1,84.902 141.4,84.902 141.4,98 209.1,98
AVDD on Power Plane (split plane): 209.1,75.702 141.4,75.702 141.4,80.998 209.1,80.998
3V3 on Power Plane (split plane): 307.49,62.378 307.441,62.368 307.316,62.326 307.199,62.268 307.09,62.195 306.991,62.109 306.905,62.01 306.833,61.902 257.3,61.902 257.202,61.893 257.108,61.864 257.021,61.818 256.945,61.755 251.692,56.502 211.408,56.502 207.555,60.355 207.479,60.418 207.392,60.464 207.298,60.493 207.2,60.502 173,60.502 172.902,60.493 172.808,60.464 172.721,60.418 172.645,60.355 169.645,57.355 169.582,57.279 169.536,57.192 169.507,57.098 169.498,57 169.498,54.5 169.498,53.708 167.292,51.502 122.708,51.502 120.502,53.708 120.502,60 120.493,60.098 120.464,60.192 120.418,60.279 120.355,60.355 118.555,62.155 118.479,62.218 118.392,62.264 118.298,62.293 118.2,62.302 77.608,62.302 74.402,65.508 74.402,66 76,66 76,98 93.8,98 93.8,75.3 131.489,75.3 131.945,74.845 132.021,74.782 132.108,74.736 132.202,74.707 132.3,74.698 209.1,74.698 209.1,74 223.6,74 223.6,62.9 242,62.9 242,74 260.8,74 260.8,98 307.49,98
24V on Power Plane (split plane): 307.49,101 28.51,101 28.51,112.49 307.49,112.49
+15VDR on Power Plane (split plane): 73.398,65.3 73.407,65.202 73.436,65.108 73.482,65.021 73.545,64.945 77.045,61.445 77.121,61.382 77.208,61.336 77.302,61.307 77.4,61.298 117.992,61.298 119.498,59.792 119.498,53.5 119.507,53.402 119.536,53.308 119.582,53.221 119.645,53.145 122.145,50.645 122.221,50.582 122.308,50.536 122.402,50.507 122.5,50.498 167.5,50.498 167.598,50.507 167.692,50.536 167.779,50.582 167.855,50.645 170.355,53.145 170.418,53.221 170.464,53.308 170.493,53.402 170.502,53.5 170.502,54.5 170.502,56.792 173.208,59.498 206.992,59.498 210.845,55.645 210.921,55.582 211.008,55.536 211.102,55.507 211.2,55.498 251.9,55.498 251.998,55.507 252.092,55.536 252.179,55.582 252.255,55.645 257.508,60.898 306.833,60.898 306.905,60.79 306.991,60.691 307.191,60.491 307.29,60.405 307.399,60.332 307.49,60.287 307.49,30.51 290.425,30.51 290.425,56.125 260.225,56.125 260.225,30.51 205.2,30.51 205.2,56.8 175,56.8 175,30.51 114.9,30.51 114.9,56.7 84.7,56.7 84.7,30.51 28.51,30.51 28.51,52.1 60,52.1 60,66 73.398,66

## Other copper
Ground Plane (plane layer: these items are gaps in the copper):
  rectangle: 28,52 60,101
  rectangle: 60,66 76,101
  rectangle: 28,98 308,101
  rectangle: 84.6,30.2 114.8,56.7
  rectangle: 175,30.5 205.2,57
  rectangle: 260.125,29.625 290.325,56.125
  rectangle: 94,75.3 141.2,100.7
  rectangle: 209.6,74.1 260.6,99.7
  rectangle: 296.8,87.1 301.2,91.2
  rectangle: 223.6,62.9 242,74.4
  lines w1: 73.8,65.8 73.8,67.6 ; 74,65 77.1,61.9 118.1,61.9 120,60 120,53.5 122.5,51 127.8,51 167.5,51 170,53.5 170,57 173,60 207,60 210.6,56.4 210.9,56.1 252,56.1 257.3,61.4 308,61.4 ; 125.7,98.8 125.7,81.7 132.2,75.2 215.9,75.2 219.1,78.4 219.1,99.1
  lines w2: 73.8,65.8 74,66 74,65
Power Plane (plane layer: these items are gaps in the copper):
  rectangle: 28,52.1 60,101
  rectangle: 59,66 76,101
  rectangle: 76,98 308,101
  rectangle: 84.7,29.9 114.9,56.7
  rectangle: 175,30 205.2,56.8
  rectangle: 260.225,29.325 290.425,56.125
  rectangle: 93.8,75.3 141.4,99.5
  rectangle: 209.1,74 260.8,99.7
  rectangle: 301.7,87.2 305.7,91
  rectangle: 223.6,62.9 242,75
  lines w1: 73.9,67 73.9,65.3 77.4,61.8 118.2,61.8 120,60 120,53.5 122.5,51 128.6,51 167.5,51 170,53.5 170,54.5 170,57 173,60 207.2,60 211.2,56 251.9,56 257.3,61.4 307.7,61.4 ; 125.7,99.1 125.7,81.8 132.3,75.2 215.9,75.2 219.1,78.4 219.1,98.6 ; 125.8,84.4 219,84.4 219.1,84.5 ; 126,81.5 218.5,81.5 219,82
  lines w2: 307.7,61.4 307.9,61.2

## Silkscreen, mask and mechanical layers (free items; w line width, h text height)
Top Overlay:
  text "-V" at 164.2,110.4 h1.52
  text "+V" at 186.6,110.4 h1.52
  text "+24V" at 287,110.1 h1.52
  text "+24V" at 42.3,109.6 h1.52
  text "0V" at 42.6,104.2 h1.52
  text "0V" at 289.6,101.9 h1.52
  text "-V" at 265.1,96.2 h1.52
  text "M" at 270.9,96.2 h1.52
  text "-V" at 79.1,96 h1.52
  text "M" at 84.9,96 h1.52
  text "+V" at 274.7,96 h1.52
  text "+V" at 88.7,95.8 h1.52
  text "M" at 176.6,93.6 h1.52
  text "-Vm" at 30.7,90.1 h1.52
  text "DGND" at 286.2,65.6 h1.52
  text "+Vm" at 30,53.1 h1.52
  text "DRGND" at 299.3,52.5 h1.52
  text "HB3" at 230.4,50 h1.52
  text "HB2" at 139.5,49.2 h1.52
  text "HB1" at 51.3,49.1 h1.52
  text "T1" at 95.7,32.8 h1.52
  text "T2" at 185.7,32.7 h1.52
  text "T3" at 270.4,32.6 h1.52
Top Solder:
  rectangle: 217.3,70.25 220.25,72.3
  rectangle: 209.3,70.25 212.25,72.3
Mechanical 1:
  circle w0.254: c52.7,76.4 r5
  circle w0.254: c54.3,73.1 r5
  circle w0.254: c54.3,66.3 r5
  circle w0.254: c47.2,62.5 r5
  circle w0.254: c42.7,79.3 r5
  circle w0.254: c40.32,60.6 r5
  circle w0.254: c110,51 r10
  circle w0.254: c89,51 r10
  circle w0.254: c54,63 r10
  circle w0.254: c179,51 r10
  circle w0.254: c200,51 r10
  circle w0.254: c264,51 r10
  circle w0.254: c286,51 r10
  circle w0.254: c88,39 r10
  circle w0.254: c178,38 r10
  circle w0.254: c264,38 r10
  circle w0.254: c284,35 r10
  circle w0.254: c198,35 r10
  circle w0.254: c108,35 r10
  circle w0.254: c68.5,71 r10
  circle w0.254: c68,93 r10
  lines w1: 28,30 28,113 308,113 308,30 28,30
Mechanical 3:
  the board outline again, w0.5
Mechanical 13:
  circle w0.254: c33,35 r3
  circle w0.254: c32,95 r3
  circle w0.254: c50,107 r3
  circle w0.254: c205,105 r3
  circle w0.254: c288,108 r3
  circle w0.254: c302,95 r3
  circle w0.254: c303,35 r3
  circle w0.254: c143,35 r3
  circle w0.254: c232.89,34.85 r3

## Dimensions
28,30 to 28,113 on Mechanical 1
28,30 to 308,30 on Mechanical 1
33,46.02 to 32.7,60.7 on Mechanical 1
32.7,60.7 to 32.28,86.2 on Mechanical 1
32.28,86.2 to 32.38,105 on Mechanical 1
51.27,42.019 to 85.6,108.62 on Mechanical 1
141.38,40.57 to 178.08,108.62 on Mechanical 1
231.27,42.019 to 271.68,108.3 on Mechanical 1

## Text inside footprints (layer, text, board x,y; h text height)
AD1_AMP1: Mechanical 7 "AD628" at 157.552,82.209 h1.5 r90
AD1_AMP2: Mechanical 7 "AD628" at 178.602,82.209 h1.5 r90
AD1_AMP3: Mechanical 7 "AD628" at 199.502,82.209 h1.5 r90
C1: Mechanical 7 "Tantal D" at 145.702,107.919 h1 r270
C2: Mechanical 7 "Tantal D" at 257.702,107.619 h1 r270
C19: Mechanical 7 "Tantal D" at 294.719,94.898 h1 r180
C21: Mechanical 7 "Tantal D" at 266.781,80.502 h1
C31: Mechanical 7 "Tantal D" at 69.102,108.919 h1 r270
C47: Mechanical 7 "Tantal D" at 197.102,106.219 h1 r270
C48: Mechanical 7 "Tantal D" at 190.102,106.219 h1 r270
C49: Mechanical 7 "Tantal D" at 108.724,107.929 h1 r270
C50: Mechanical 7 "Tantal D" at 102.966,107.929 h1 r270
C51: Mechanical 7 "Tantal D" at 114.482,107.929 h1 r270
C52: Mechanical 7 "Tantal D" at 125.998,107.929 h1 r270
C53: Mechanical 7 "Tantal D" at 120.24,107.929 h1 r270
C55: Mechanical 7 "Tantal D" at 163.898,103.781 h1 r90
C56: Mechanical 7 "Tantal D" at 156.898,103.781 h1 r90
C57: Mechanical 7 "Tantal D" at 211.881,34.902 h1
C58: Mechanical 7 "Tantal D" at 221.881,34.902 h1
C59: Mechanical 7 "Tantal D" at 245.181,35.002 h1
C61: Mechanical 7 "Tantal D" at 222.224,107.829 h1 r270
C62: Mechanical 7 "Tantal D" at 216.466,107.829 h1 r270
C63: Mechanical 7 "Tantal D" at 227.982,107.829 h1 r270
C64: Mechanical 7 "Tantal D" at 239.498,107.829 h1 r270
C65: Mechanical 7 "Tantal D" at 233.74,107.829 h1 r270
C108: Mechanical 7 "Tantal D" at 123.781,35.102 h1
C109: Mechanical 7 "Tantal D" at 133.781,35.102 h1
C110: Mechanical 7 "Tantal D" at 155.781,35.102 h1
C112: Mechanical 7 "Tantal D" at 50.981,34.702 h1
C113: Mechanical 7 "Tantal D" at 65.981,35.002 h1
C114: Mechanical 7 "Tantal D" at 41.081,34.402 h1
JTAG: Top Overlay "2" at 146.964,73.257 h1.1; Top Overlay "1" at 147.142,70.667 h1.1; Top Overlay "9" at 161.747,70.565 h1.1; Top Overlay "10" at 161.67,73.257 h1.1; Mechanical 7 "PLD-5R" at 150.088,70.438 h3
X1: Top Overlay "2" at 39.72,43.79 h1.5; Top Overlay "1" at 40.22,41.25 h1.5; Top Overlay "20" at 66.14,43.79 h1.5; Top Overlay "19" at 66.14,41.25 h1.5
X2: Top Overlay "2" at 129.72,43.79 h1.5; Top Overlay "1" at 130.22,41.25 h1.5; Top Overlay "20" at 156.14,43.79 h1.5; Top Overlay "19" at 156.14,41.25 h1.5
X3: Top Overlay "2" at 219.72,43.92 h1.5; Top Overlay "1" at 220.22,41.38 h1.5; Top Overlay "20" at 246.14,43.92 h1.5; Top Overlay "19" at 246.14,41.38 h1.5